# Altium PCB CRD25DA12N-FMC V1.1 (07-2023).PcbDoc (part 3 of 7)
Units mil, origin at the board's own origin, x right, y up, seen from the top; angles counter-clockwise.
Board outline 8000 x 8000 mil, 6 copper layers (Top Layer, Layer 2, Layer 3, Layer 4, Layer 5, Bottom Layer), stack 91 mil thick; 542 components, 315 nets, 1585 pads, 558 vias.
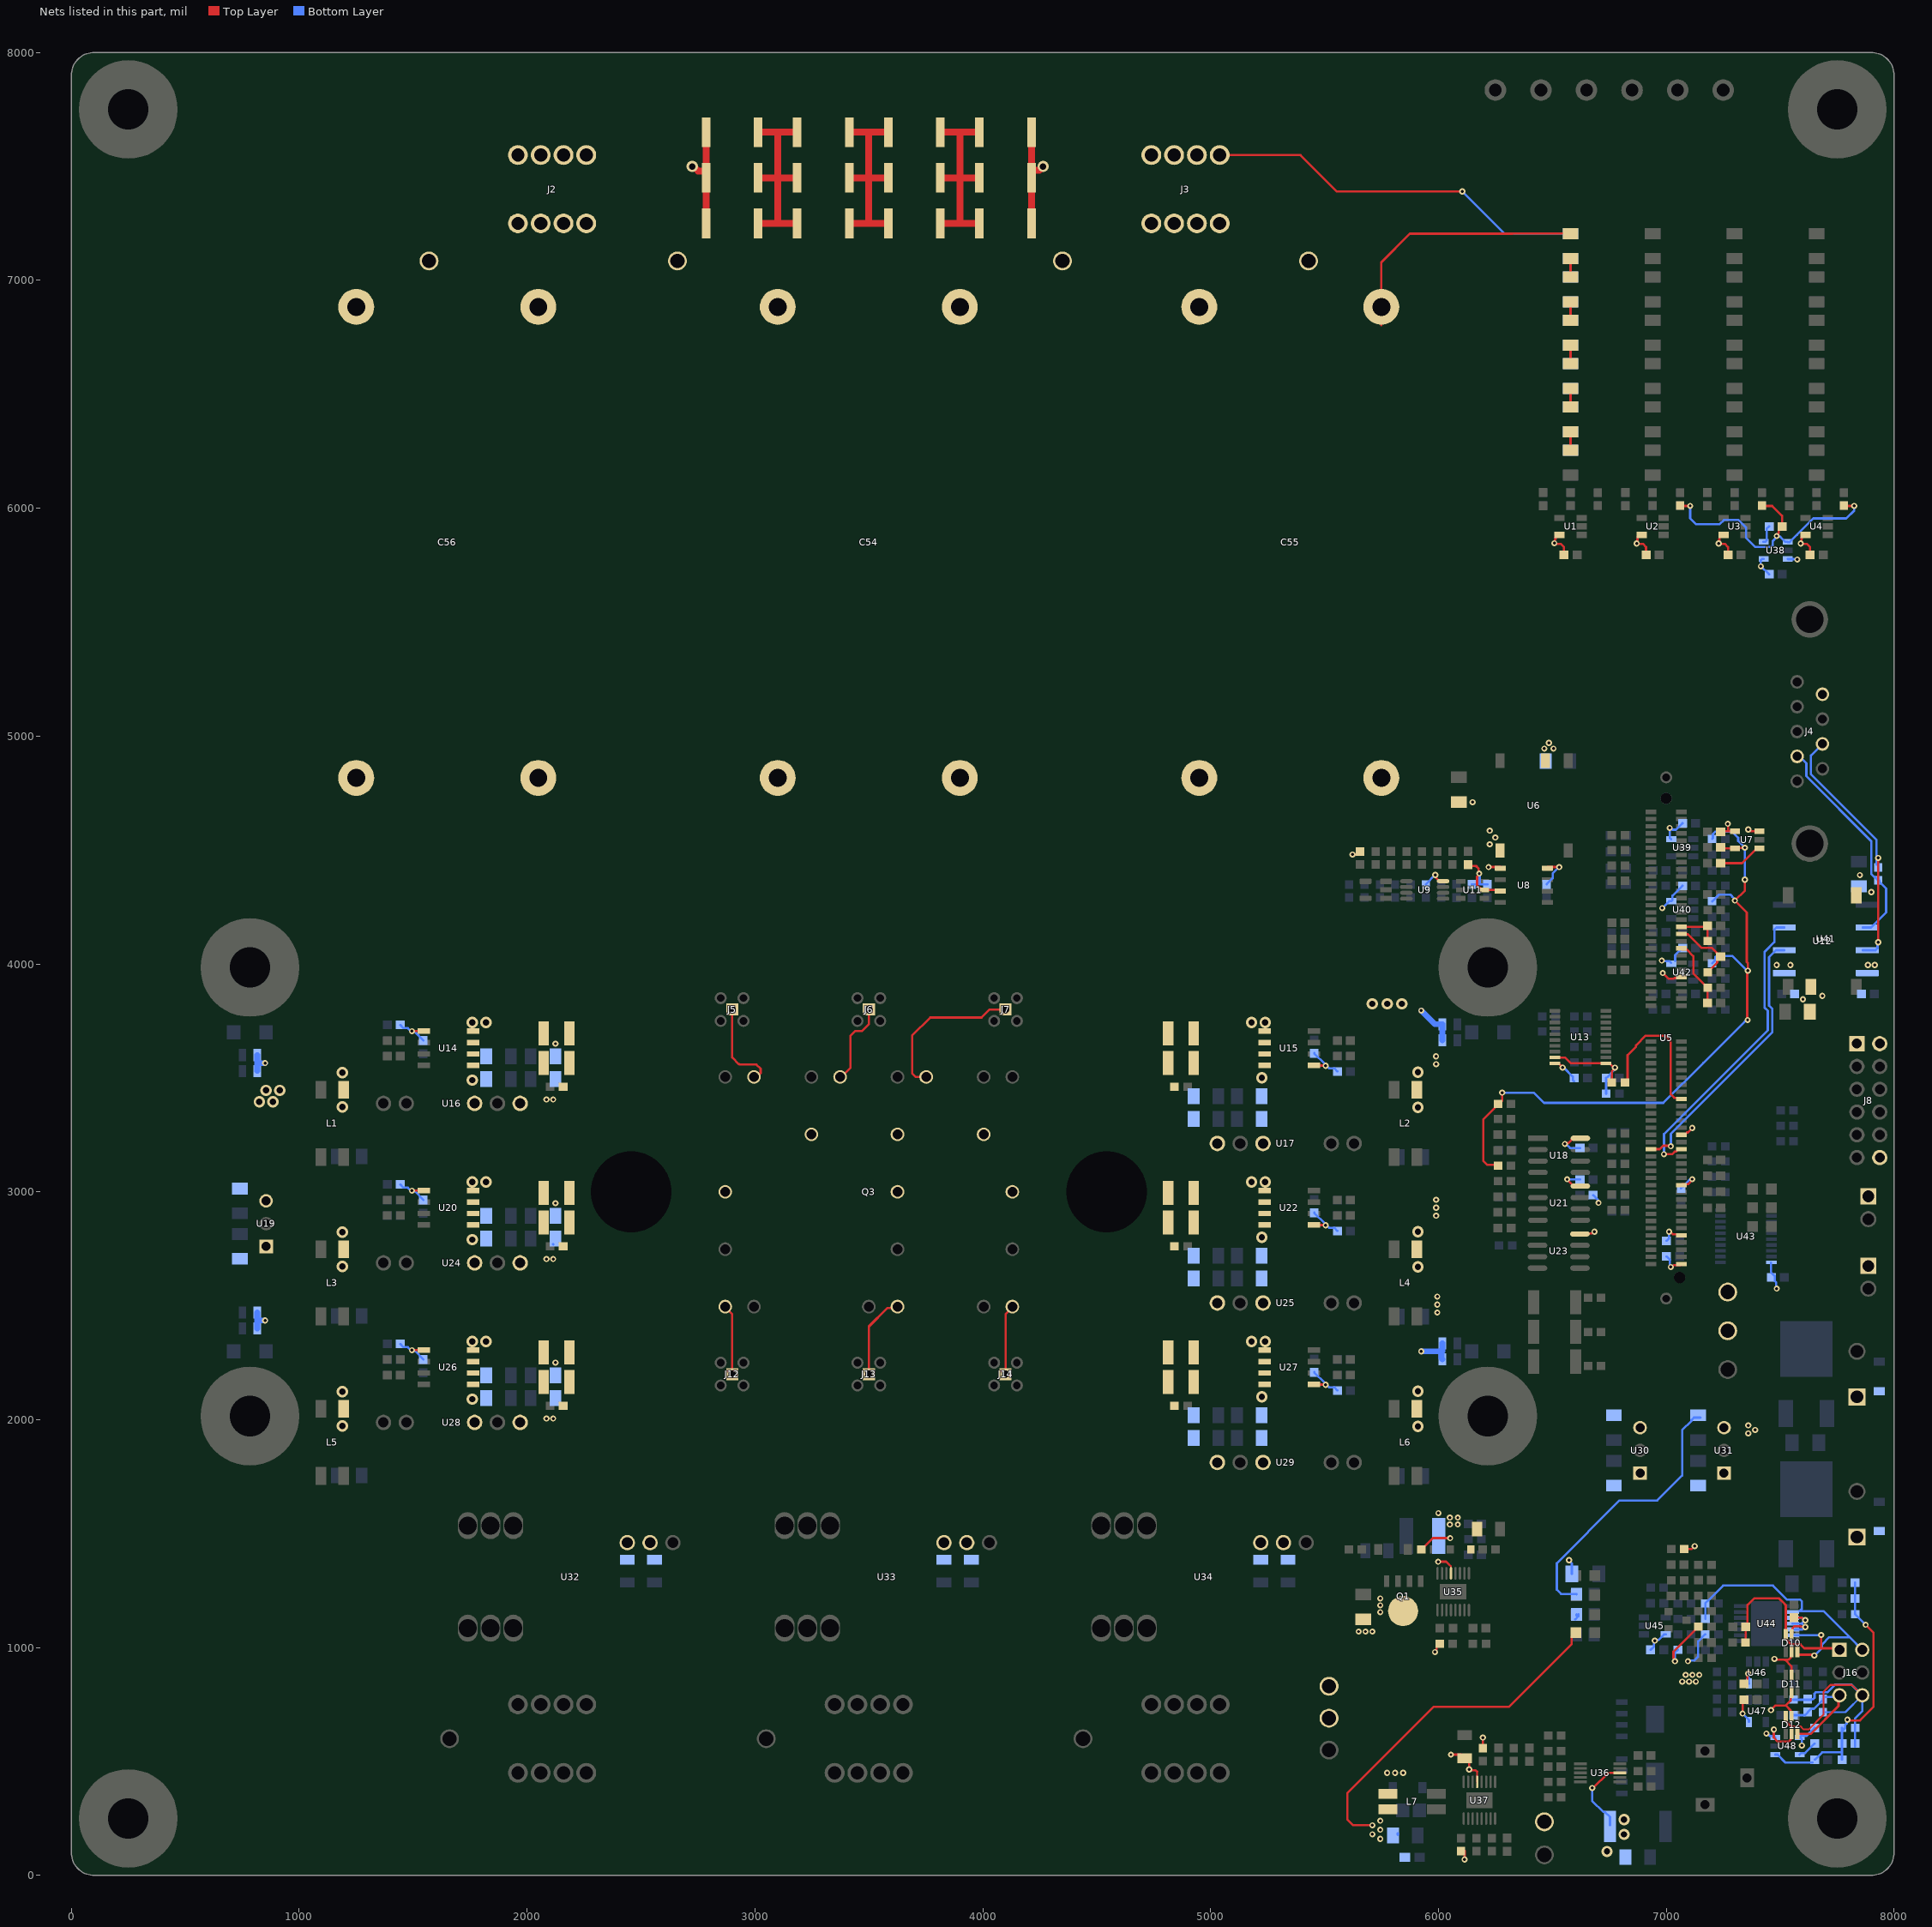
[diagram p7: the nets of this part, all layers, seen from the top]

## Part data (continued)
R212 R217: "RES SMD 15K OHM 0.5% 1/10W 0603", Case Code (Imperial)=0603, Case Code (Metric)=1608, Manufacturer=PANASONIC, Max Operating Temperature=155°C, Max Power Dissipation=100mW, Min Operating Temperature=-55°C, Package Quantity=5000, Power Rating=0.1W, Ratings=AEC-Q200, Resistance=15kΩ, Resistance Tolerance=0.5%, Resistor Type="Thin Film", Supplier Part Number 1=P15KBLCT-ND, Temperature Coefficient=25ppm/°C, Voltage Rating=75V, Category="Chip SMD Resistors", ComponentLink1Description=https://datasheet.ciiva.com/6138/1776116-6138543.pdf?src-supplier=Farnell, ComponentLink1URL=https://datasheet.ciiva.com/6138/1776116-6138543.pdf?src-supplier=Farnell, ComponentLink2Description=https://datasheet.ciiva.com/7830/1776116-7830921.pdf?src-supplier=Element14, ComponentLink2URL=https://datasheet.ciiva.com/7830/1776116-7830921.pdf?src-supplier=Element14, ComponentLink3Description=https://datasheet.ciiva.com/9117/aoa0000ce26-9117541.pdf?src-supplier=Avnet, ComponentLink3URL=https://datasheet.ciiva.com/9117/aoa0000ce26-9117541.pdf?src-supplier=Avnet, ComponentLink4Description=https://datasheet.ciiva.com/9117/aoa0000ce26-9117535.pdf?src-supplier=Avnet, ComponentLink4URL=https://datasheet.ciiva.com/9117/aoa0000ce26-9117535.pdf?src-supplier=Avnet, ComponentLink5Description=https://datasheet.ciiva.com/30207/54aoa0000ce26-30207227.pdf?src-supplier=Onlinecomponents.com, ComponentLink5URL=https://datasheet.ciiva.com/30207/54aoa0000ce26-30207227.pdf?src-supplier=Onlinecomponents.com, Construction=Rectangular, Contact Plating=Tin, Depth=0.8mm, Features="Automotive AEC-Q200", Height=0.45mm, Lead Free="Lead Free", Length=1.6mm, Manufacturer Part Number=ERA-3AED153V, Military Standard=Not, Mount="Surface Mount", Number of Terminations=2, Package=0603, Packaging="Tape and Reel", Pricing 1="1=0.31000, 10=0.26200, 100=0.10240, 500=0.06190, 1000=0.04285, 2500=0.03928 (USD)", Radiation Hardening=No, Reach SVHC Compliant=Yes, RoHS=Yes, RoHS Compliant=Yes, Series=ERA-3A, Stock 1=5000, Supplier 1=Digi-Key, TOLERANCE=0.5%, Voltage Rating (DC)=75V, Width=0.8mm
R213 R216: "RES SMD 2.43K OHM 1% 1/8W 0805", Case Code (Imperial)=0805, Case Code (Metric)=2012, Manufacturer=PANASONIC, Max Operating Temperature=155°C, Max Power Dissipation=125mW, Min Operating Temperature=-55°C, Package Quantity=1, Power Rating=0.13W, Resistance=2.43kΩ, Resistance Tolerance=1%, Resistor Type="Thick Film", Supplier Part Number 1=73AC7648, Temperature Coefficient=100ppm/°C, Voltage Rating=150V, Category="Chip SMD Resistors", ComponentLink1Description=https://datasheet.ciiva.com/7763/1678782-7763735.pdf?src-supplier=Element14, ComponentLink1URL=https://datasheet.ciiva.com/7763/1678782-7763735.pdf?src-supplier=Element14, ComponentLink2Description=https://datasheet.ciiva.com/22681/1678782-22681333.pdf?src-supplier=Element14, ComponentLink2URL=https://datasheet.ciiva.com/22681/1678782-22681333.pdf?src-supplier=Element14, ComponentLink3Description=https://datasheet.ciiva.com/28594/1694929-28594725.pdf?src-supplier=Element14, ComponentLink3URL=https://datasheet.ciiva.com/28594/1694929-28594725.pdf?src-supplier=Element14, ComponentLink4Description=https://datasheet.ciiva.com/46441/1678782-46441274.pdf?src-supplier=Element14, ComponentLink4URL=https://datasheet.ciiva.com/46441/1678782-46441274.pdf?src-supplier=Element14, ComponentLink5Description=https://datasheet.ciiva.com/16773/70260748-16773928.pdf?src-supplier=Allied+Electronics, ComponentLink5URL=https://datasheet.ciiva.com/16773/70260748-16773928.pdf?src-supplier=Allied+Electronics, ComponentLink6Description=https://datasheet.ciiva.com/16783/70260748-16783546.pdf?src-supplier=Allied+Electronics, ComponentLink6URL=https://datasheet.ciiva.com/16783/70260748-16783546.pdf?src-supplier=Allied+Electronics, ComponentLink7Description=https://datasheet.ciiva.com/30086/aoa0000ce2-30086726.pdf?src-supplier=Onlinecomponents.com, ComponentLink7URL=https://datasheet.ciiva.com/30086/aoa0000ce2-30086726.pdf?src-supplier=Onlinecomponents.com, Construction=Rectangular, Contact Plating=Tin, Depth=1.25mm, Features="Automotive AEC-Q200", Height=0.6mm, Lead Free="Lead Free", Length=2mm, Manufacturer Part Number=ERJ-6ENF2431V, Military Standard=Not, Mount="Surface Mount", Number of Terminations=2, Package=0805, Packaging="Tape and Reel", Pricing 1="1=0.02500, 5000=0.02200, 10000=0.01700, 20000=0.01300 (USD)", Radiation Hardening=No, Reach SVHC Compliant=Yes, RoHS=Yes, RoHS Compliant=Yes, Series=ERJ, Stock 1=30000, Supplier 1=Newark, Technology="THICK FILM", Termination=SMD/SMT, TOLERANCE=1%, Voltage Rating (DC)=150V, Width=0.049inch
R220 R223 R224 R227: "RES SMD 12.1K OHM 0.1% 1/5W 0603", Case Code (Imperial)=0603, Case Code (Metric)=1608, Manufacturer=PANASONIC, Max Operating Temperature=155°C, Max Power Dissipation=0.2W, Min Operating Temperature=-55°C, Resistance=12.1kΩ, Resistor Type="Thick Film", Supplier Part Number 1=68AC5970, Temperature Coefficient=50ppm/°C, TOLERANCE=0.1%, Category="Chip SMD Resistors", ComponentLink1Description=https://industrial.panasonic.com/sa/system/files/data/download/catalog/id_fixed-resistors_e_2.pdf?src-supplier=Digi-Key, ComponentLink1URL=https://industrial.panasonic.com/sa/system/files/data/download/catalog/id_fixed-resistors_e_2.pdf?src-supplier=Digi-Key, Features="Automotive AEC-Q200", Height - Seated (Max)=0.022inch, Length=0.063inch, Manufacturer Part Number=ERJ-PB3B1212V, Number of Terminations=2, Package=0603, Packaging="Tape and Reel", Pricing 1="1=0.02300, 25=0.02300, 50=0.02300, 100=0.02300, 250=0.02300, 500=0.02300, 1000=0.02300 (USD)", RoHS=Yes, Stock 1=2027, Supplier 1=Newark, Width=0.032inch
R221 R225: "RES 47K OHM 1% 1/10W 0603", Case Code (Imperial)=0603, Case Code (Metric)=1608, Manufacturer=YAGEO, Max Operating Temperature=155°C, Max Power Dissipation=100mW, Min Operating Temperature=-55°C, Package Quantity=1, Power Rating=0.1W, Resistance=47kΩ, Resistance Tolerance=1%, Resistor Type="Thick Film", Supplier Part Number 1=6616189, Temperature Coefficient=100ppm/°C, Voltage Rating=50V, Category="Chip SMD Resistors", ComponentLink1Description=https://datasheet.ciiva.com/11808/0900766b80f96399-11808118.pdf?src-supplier=Rs, ComponentLink1URL=https://datasheet.ciiva.com/11808/0900766b80f96399-11808118.pdf?src-supplier=Rs, ComponentLink2Description=https://datasheet.ciiva.com/2453/pyu-r-int-thick-7-2453932.pdf?src-supplier=Digi-Key, ComponentLink2URL=https://datasheet.ciiva.com/2453/pyu-r-int-thick-7-2453932.pdf?src-supplier=Digi-Key, ComponentLink3Description=https://datasheet.ciiva.com/2453/pyu-r-int-thick-7-2453933.pdf?src-supplier=Digi-Key, ComponentLink3URL=https://datasheet.ciiva.com/2453/pyu-r-int-thick-7-2453933.pdf?src-supplier=Digi-Key, ComponentLink4Description=https://datasheet.ciiva.com/2453/pyu-r-int-thick-7-2453931.pdf?src-supplier=Digi-Key, ComponentLink4URL=https://datasheet.ciiva.com/2453/pyu-r-int-thick-7-2453931.pdf?src-supplier=Digi-Key, ComponentLink5Description=https://datasheet.ciiva.com/7746/443971-7746362.pdf?src-supplier=Element14, ComponentLink5URL=https://datasheet.ciiva.com/7746/443971-7746362.pdf?src-supplier=Element14, ComponentLink6Description=https://datasheet.ciiva.com/7746/443971-7746361.pdf?src-supplier=Element14, ComponentLink6URL=https://datasheet.ciiva.com/7746/443971-7746361.pdf?src-supplier=Element14, Construction=Rectangular, Depth=0.8mm, Features="Moisture Resistant", Height=0.022inch, Lead Free="Lead Free", Length=0.063inch, Manufacturer Part Number=RC0603FR-0747KL, Military Standard=Not, Number of Pins=2, Number of Terminations=2, Package=0603, Packaging="Tape and Reel", Pricing 1="5000=0.00150, 50000=0.00140, 200000=0.00140, 625000=0.00130, 2000000=0.00120 (USD)", RoHS=Yes, RoHS Compliant=Yes, Series=RC, Size Code=0603, Stock 1=21495000, Supplier 1="Future Electronics", Technology="THICK FILM", Termination=SMD/SMT, TOLERANCE=1%, Voltage Rating (DC)=50V, Width=0.031inch
R229: "RES 0.01 OHM 1% 2W 2512", Case Code (Imperial)=2512, Case Code (Metric)=6432, Manufacturer=YAGEO, Max Operating Temperature=170°C, Max Power Dissipation=2W, Min Operating Temperature=-55°C, Resistance=10mΩ, Resistor Type="Metal Film", Supplier Part Number 1=1995902P, Temperature Coefficient=50ppm/°C, TOLERANCE=1%, Category="Chip SMD Resistors", ComponentLink1Description=http://www.mouser.com/ds/2/447/PYu-PE_521_RoHS_L_1-536447.pdf?src-supplier=Mouser, ComponentLink1URL=http://www.mouser.com/ds/2/447/PYu-PE_521_RoHS_L_1-536447.pdf?src-supplier=Mouser, ComponentLink2Description=http://www.yageo.com/NewPortal/yageodocoutput?fileName=/pdf/R-Chip/PYu-PE_521_RoHS_L_5.pdf&src-supplier=Digi-Key, ComponentLink2URL=http://www.yageo.com/NewPortal/yageodocoutput?fileName=/pdf/R-Chip/PYu-PE_521_RoHS_L_5.pdf&src-supplier=Digi-Key, Features="Moisture Resistant,Automotive AEC-Q200", Height=0.03inch, Lead Free="Lead Free", Length=0.248inch, Manufacturer Part Number=PE2512FKE7W0R01L, Number of Terminations=2, Package=2512, Packaging="Tape and Reel", RoHS=Yes, Stock 1=2110, Supplier 1=Rs, Width=0.122inch
R230: "RES 180K OHM 1% 1/10W 0603", Case Code (Imperial)=0603, Case Code (Metric)=1608, Manufacturer=TE, Max Operating Temperature=155°C, Max Power Dissipation=0.1W, Min Operating Temperature=-55°C, Resistance=180kΩ, Resistor Type="Thick Film", Supplier Part Number 1=73AC9068, Temperature Coefficient=100ppm/°C, TOLERANCE=1%, Category="Chip SMD Resistors", ComponentLink1Description=https://4donline.ihs.com/images/VipMasterIC/IC/TYEL/TYEL-S-A0004929575/TYEL-S-A0004929575-1.pdf?hkey=52A5661711E402568146F3353EA87419&src-supplier=Element14, ComponentLink1URL=https://4donline.ihs.com/images/VipMasterIC/IC/TYEL/TYEL-S-A0004929575/TYEL-S-A0004929575-1.pdf?hkey=52A5661711E402568146F3353EA87419&src-supplier=Element14, ComponentLink2Description=https://4donline.ihs.com/images/VipMasterIC/IC/TYEL/TYEL-S-A0004929575/TYEL-S-A0004929575-1.pdf?hkey=52A5661711E402568146F3353EA87419&src-supplier=Newark, ComponentLink2URL=https://4donline.ihs.com/images/VipMasterIC/IC/TYEL/TYEL-S-A0004929575/TYEL-S-A0004929575-1.pdf?hkey=52A5661711E402568146F3353EA87419&src-supplier=Newark, ComponentLink3Description=https://www.te.com/commerce/DocumentDelivery/DDEController?Action=srchrtrv&DocNm=1773204-3&DocType=DS&DocLang=English&src-supplier=Digi-Key, ComponentLink3URL=https://www.te.com/commerce/DocumentDelivery/DDEController?Action=srchrtrv&DocNm=1773204-3&DocType=DS&DocLang=English&src-supplier=Digi-Key, ComponentLink4Description=https://www.te.com/commerce/DocumentDelivery/DDEController?Action=srchrtrv&amp;DocNm=1773204-3&amp;DocType=DS&amp;DocLang=English&src-supplier=Digi-Key, ComponentLink4URL=https://www.te.com/commerce/DocumentDelivery/DDEController?Action=srchrtrv&amp;DocNm=1773204-3&amp;DocType=DS&amp;DocLang=English&src-supplier=Digi-Key, ComponentLink5Description=https://4donline.ihs.com/images/VipMasterIC/IC/TYEL/TYEL-S-A0004929575/TYEL-S-A0004929575-1.pdf?hkey=52A5661711E402568146F3353EA87419&src-supplier=Farnell, ComponentLink5URL=https://4donline.ihs.com/images/VipMasterIC/IC/TYEL/TYEL-S-A0004929575/TYEL-S-A0004929575-1.pdf?hkey=52A5661711E402568146F3353EA87419&src-supplier=Farnell, Features="Moisture Resistant,Automotive AEC-Q200", Manufacturer Part Number=CRGCQ0603F180K, Number of Terminations=2, Package=0603, Packaging="Cut Tape", Pricing 1="1=0.00100, 25=0.00100, 100=0.00100, 250=0.00100, 500=0.00100, 1000=0.00100 (USD)", RoHS=Yes, RoHS Compliant=Yes, Stock 1=4310, Supplier 1=Newark
TP1 TP2 TP5 TP6 TP8 TP9 TP14: library part CMP-1672-00002-4, "PC TEST POINT MULTIPURPOSE RED", Colour=Red, Manufacturer=KEYSTONE, Package=N/A, Package Quantity=100, ComponentLink1Description="Manufacturer URL", ComponentLink1URL=http://www.keyelco.com/, ComponentLink2Description=Datasheet, ComponentLink2URL=http://www.keyelco.com/product-pdf.cfm?p=1319, Contact Material=Bronze, Contact Plating=Silver, DatasheetVersion="Rev. F, 12/2013", Height="8.12 mm", Manufacturer Part Number=5010, Mount="Through Hole", Mounting Technology="Through Hole", PackageDescription="1-Pin Through Hole Device, Dia 3.17 mm", PackageReference=5010, Packaging=Bulk, Pins=1, REACH SVHC="No SVHC", RoHSCompliant=true
TP3 TP4 TP7 TP13 TP15: library part CMP-1672-00003-4, "PC TEST POINT MULTIPURPOSE BLACK", Colour=Black, Manufacturer=KEYSTONE, Package=N/A, Package Quantity=100, ComponentLink1Description="Manufacturer URL", ComponentLink1URL=http://www.keyelco.com/, ComponentLink2Description=Datasheet, ComponentLink2URL=http://www.keyelco.com/product-pdf.cfm?p=1320, Contact Material=Bronze, Contact Plating=Silver, DatasheetVersion="Rev. F, 12/2013", Height="8.12 mm", Manufacturer Part Number=5011, Mount="Through Hole", Mounting Technology="Through Hole", PackageDescription="1-Pin Through Hole Device, Dia 3.17 mm", PackageReference=5011, Packaging=Bulk, Pins=1, REACH SVHC="No SVHC", RoHSCompliant=true
TP10 TP11 TP12: library part CMP-1672-00004-4, "PC TEST POINT MULTIPURPOSE WHITE", Colour=White, Manufacturer=KEYSTONE, Package=N/A, Package Quantity=100, ComponentLink1Description="Manufacturer URL", ComponentLink1URL=http://www.keyelco.com/, ComponentLink2Description=Datasheet, ComponentLink2URL=http://www.keyelco.com/product-pdf.cfm?p=1321, Contact Material=Bronze, Contact Plating=Silver, DatasheetVersion="Rev. F, 12/2013", Height="8.12 mm", Length="11.3 mm", Manufacturer Part Number=5012, Mount="Through Hole", Mounting Technology="Through Hole", PackageDescription="1-Pin Through Hole Device, Dia 3.17 mm", PackageReference=5012, Packaging=Bulk, Pins=1, REACH SVHC="No SVHC", RoHSCompliant=true
U1 U2 U3 U4 U39 U40 U42 U45 U46 U47: library part CMP-0384-02059-2, "IC OPAMP GP 1 CIRCUIT TSOT23-5", Amplifiers Per Package=1, Generic Part Number=AD8615, Input Bias Current=200fA, Input Offset Voltage=80uV, Manufacturer="ANALOG DEVICES", Package=TSOT-23-5, Code_JEDEC=MO-193-AB, ComponentLink1Description="Manufacturer URL", ComponentLink1URL=http://www.analog.com/en/index.html, ComponentLink2Description=Datasheet, ComponentLink2URL=http://www.analog.com/static/imported-files/data_sheets/AD8615_8616_8618.pdf, ComponentLink3Description="Package Specification", ComponentLink3URL=http:/www.analog.com/static/imported-files/packages/PKG_PDF/TSOT(UJ)/UJ_5.pdf, ComponentLink4Description="Reference Circuit", ComponentLink4URL=http://www.analog.com/en/all-operational-amplifiers-op-amps/operational-amplifiers-op-amps/ad8615/products/product.html#product-recommendations, DatasheetVersion="Rev. E", Iq/Amp=1.7mA, Manufacturer Part Number=AD8615AUJZ-REEL7, Mounting Technology="Surface Mount", PackageDescription="5-Pin Thin Small Outline Transistor Package, Body 2.9 x 1.6 mm, Pitch 0.95 mm", PackageReference=UJ-5, PackageVersion=100708-A, PartNumber=AD8615AUJZ-REEL7, RevisionNote="Reference Circuit URL fixed", Slew Rate=12V/us, Small Signal Bandwidth=23MHz, V Span Max=6V, V Span Min=2.7V
U5: "EVAL BOARD FOR TMS320F280039C", Manufacturer="TEXAS INSTRUMENTS", Package=N/A, Supplier Part Number 1=595-TMDSCNCD280039C, Category="Embedded Processors and Controllers", Manufacturer Part Number=TMDSCNCD280039C, Pricing 1="1=99.75000, 10=99.75000, 50=99.75000, 100=99.75000, 1000=99.75000, 10000=99.75000 (USD)", RoHS=No, Stock 1=11, Supplier 1=Mouser
U6: library part CMP-2000-07241-1, "DC DC CONVERTER 5V 1W", Input Voltage DC Max=5.5V, Input Voltage DC Min=4.5V, Manufacturer=TRACOPOWER, Output Current Max=200mA, Output Power Max=1W, Output Voltage Nom.=5V, Package=8-SMD, Package Description="5-Pin Surface Mount Device, Body 13.7 x 8.0 mm", Datasheet URL=http://assets.tracopower.com/20160525150431/TES1/documents/tes1-datasheet.pdf, Datasheet Version=05/2016, DC / DC Converter Mounting=SMD, DC / DC Converter Output Type=Fixed, DC / DC Converter Type=IsolatedPOL, Depth=16.3mm, Height=7mm, Manufacturer Part Number="TES 1-0511", Manufacturer URL=http://www.tracopower.com/home, Mounting Technology=SurfaceMount, Package Reference="TES 1-0511", SVHC=NoSVHC(16-Jun-2014), Width=8mm
U7 U38 U48: "AUTOMOTIVE LOW-DRIFT, LOW-POWER,", Manufacturer="TEXAS INSTRUMENTS", Supplier Part Number 1=595-REF2033QDDCRQ1, Category="Voltage References", Manufacturer Part Number=REF2033QDDCRQ1, Pricing 1="1=3.59, 10=3.23, 50=3.23, 100=2.65, 1000=2.02, 10000=1.7 (USD)", RoHS=No, Stock 1=7420, Supplier 1=Mouser
U8: library part CMP-0328-00055-4, "DGTL ISO 2500VRMS 1CH GP 8SOIC", Insulation Rating(VRMS)=2500, Manufacturer="TEXAS INSTRUMENTS", Package=8-SOIC, Rating=Catalog, Supply Voltage(s)(V)="3.3, 5", Channel Configuration=1/01/2000, ComponentLink1Description="Manufacturer URL", ComponentLink1URL=http://www.ti.com/, ComponentLink2Description=Datasheet, ComponentLink2URL=http://www.ti.com/general/docs/lit/getliterature.tsp?genericPartNumber=ISO722M&fileType=pdf, ComponentLink3Description="URL Link1", ComponentLink3URL=SamplesURL:http://www.ti.com/product/iso722m#samples, Datarate(Mbps)=150, DatasheetVersion=SLLS629J, Eco-Plan="Green (RoHS & no Sb/Br)", Input Noise Filter=None, Manufacturer Part Number=ISO722MDR, Mounting Technology="Surface Mount", PackageDescription="8-Pin Plastic Small Outline Integrated Circuit, 4.9 x 3.9 mm, Pitch 1.27 mm Pitch", PackageReference=D0008B, PackageVersion="revM, Jun-2011", Prop Delay(Max)(ns)=16, SubFamily=Isolator, Thermal Shutdown=No, TTL/CMOS Input Threshold=CMOS
U9: "IC OPAMP GP 2 CIRCUIT 8MSOP", Case/Package=MSOP, Input Bias Current=1pA, Input Offset Voltage (Vos)=3mV, Input Offset Voltage-Max=5mV, Manufacturer=MICROCHIP, Max Operating Temperature=125°C, Max Supply Voltage=5.5V, Min Operating Temperature=-40°C, Min Supply Voltage=2.4V, Nominal Supply Current=1mA, Output Current=25mA, Package=8-MSOP, Package Quantity=100, Power Supply Rejection Ratio (PSRR)=70dB, Supplier Part Number 1=20T6022, Voltage Gain=110dB, Amplifier Type="GENERAL PURPOSE", Bandwidth=10MHz, Category="Amplifiers - Op Amps, Buffer, Instrumentation", Common Mode Rejection Ratio=70dB, ComponentLink1Description=https://datasheet.ciiva.com/8078/809135-8078950.pdf?src-supplier=Element14, ComponentLink1URL=https://datasheet.ciiva.com/8078/809135-8078950.pdf?src-supplier=Element14, ComponentLink2Description=https://datasheet.ciiva.com/11710/21812e-11710232.pdf?src-supplier=Avnet, ComponentLink2URL=https://datasheet.ciiva.com/11710/21812e-11710232.pdf?src-supplier=Avnet, ComponentLink3Description=https://datasheet.ciiva.com/26947/getdatasheetpartid-442666-26947846.pdf?src-supplier=Verical, ComponentLink3URL=https://datasheet.ciiva.com/26947/getdatasheetpartid-442666-26947846.pdf?src-supplier=Verical, ComponentLink4Description=https://datasheet.ciiva.com/1793/21812e-1793844.pdf?src-supplier=Digi-Key, ComponentLink4URL=https://datasheet.ciiva.com/1793/21812e-1793844.pdf?src-supplier=Digi-Key, Gain Bandwidth Product=10MHz, Height=0.85mm, Lead Free="Lead Free", Length=3mm, Manufacturer Part Number=MCP6292-E/MS, Manufacturer Print=MICROCHIP, Mount="Surface Mount", Number of Amplifiers=2, Number Of Channels=2, Number of Circuits=2, Number of Elements=2, Number of Pins=8, Operating Supply Current=1mA, Output Current per Channel=25mA, Packaging=Rail/Tube, Pricing 1="1=1.08000, 10=0.99600, 25=0.91100, 50=0.86900, 100=0.82600 (USD)", Radiation Hardening=No, Reach SVHC Compliant=Yes, RoHS=Yes, RoHS Compliant=Yes, Slew Rate=7V/µs, Slew Rate-Nom=7V/µs, Stock 1=1446, Supplier 1=Newark, Supply Current=1mA, Technology=CMOS, Unity Gain Bandwidth Product=10MHz, Width=3mm
U10: "IC VREF SHUNT ADJ 2% SOT23-5", Case/Package=SOT-23-5, Cathode Current=60uA, Manufacturer=STMICROELECTRONICS, Manufacturer Print=ST, Max Input Voltage=10V, Max Operating Temperature=125°C, Max Output Current=30mA, Max Output Voltage=6V, Min Operating Temperature=-40°C, Min Output Voltage=1.24V, Package Quantity=1, Temperature Coefficient=100ppm/°C, TOLERANCE=2%, Category="Voltage References", ComponentLink1Description=https://datasheet.ciiva.com/2006/cd00001336-2006390.pdf?src-supplier=Digi-Key, ComponentLink1URL=https://datasheet.ciiva.com/2006/cd00001336-2006390.pdf?src-supplier=Digi-Key, ComponentLink2Description=https://datasheet.ciiva.com/2006/cd00001336-2006391.pdf?src-supplier=Digi-Key, ComponentLink2URL=https://datasheet.ciiva.com/2006/cd00001336-2006391.pdf?src-supplier=Digi-Key, ComponentLink3Description=https://datasheet.ciiva.com/2006/cd00001336-2006392.pdf?src-supplier=Digi-Key, ComponentLink3URL=https://datasheet.ciiva.com/2006/cd00001336-2006392.pdf?src-supplier=Digi-Key, Manufacturer Part Number=TS431IYLT, Mount="Surface Mount", Number Of Channels=1, Number of Pins=5, Output Current=30mA, Output Type=Adjustable, Output Voltage=6V, Package=SOT-23-5, Packaging="Tape and Reel", Pricing 1="3000=0.25181, 6000=0.24861, 12000=0.24434, 18000=0.23794, 24000=0.23581 (USD)", Radiation Hardening=No, Reference Type=Shunt,Adjustable, RoHS=Yes, RoHS Compliant=Yes, Series="Automotive, AEC-Q100", Stock 1=15000, Supplier 1=Avnet, Supplier Part Number 1=TS431IYLT
U11: "IC OSC SILICON PROG TSOT23-6", Frequency=3.81Hz, Manufacturer="ANALOG DEVICES", Max Operating Temperature=70°C, Max Supply Voltage=5.5V, Min Operating Temperature=0°C, Min Supply Voltage=2.25V, Operating Supply Current=365uA, Package=TSOT-23-6, Package Quantity=1, Supplier Part Number 1=505-LTC6992CS6-2#TRMPBFDKR-ND, Category="Clock and Timing", ComponentLink1Description=https://datasheet.ciiva.com/1233/29337-1233009.pdf?src-supplier=Digi-Key, ComponentLink1URL=https://datasheet.ciiva.com/1233/29337-1233009.pdf?src-supplier=Digi-Key, ComponentLink2Description=https://datasheet.ciiva.com/1233/29337-1233010.pdf?src-supplier=Digi-Key, ComponentLink2URL=https://datasheet.ciiva.com/1233/29337-1233010.pdf?src-supplier=Digi-Key, ComponentLink3Description=https://datasheet.ciiva.com/1233/29337-1233011.pdf?src-supplier=Digi-Key, ComponentLink3URL=https://datasheet.ciiva.com/1233/29337-1233011.pdf?src-supplier=Digi-Key, ComponentLink4Description=https://datasheet.ciiva.com/1142/1441932-1142139.pdf?src-supplier=Farnell, ComponentLink4URL=https://datasheet.ciiva.com/1142/1441932-1142139.pdf?src-supplier=Farnell, ComponentLink5Description=https://datasheet.ciiva.com/1142/1441932-1142140.pdf?src-supplier=Farnell, ComponentLink5URL=https://datasheet.ciiva.com/1142/1441932-1142140.pdf?src-supplier=Farnell, ComponentLink6Description=https://datasheet.ciiva.com/1139/1642034-1139621.pdf?src-supplier=Element14, ComponentLink6URL=https://datasheet.ciiva.com/1139/1642034-1139621.pdf?src-supplier=Element14, ComponentLink7Description=https://datasheet.ciiva.com/48709/001253668-da-01-en-ic-osc-ltc6992cs6-2-trmpbf-tsot-23-6-ltc-48709100.pdf?src-supplier=Conrad, ComponentLink7URL=https://datasheet.ciiva.com/48709/001253668-da-01-en-ic-osc-ltc6992cs6-2-trmpbf-tsot-23-6-ltc-48709100.pdf?src-supplier=Conrad, Depth=1.75mm, Length=2.9mm, Manufacturer Part Number=LTC6992CS6-2#TRMPBF, Manufacturer Print="ANALOG DEVICES", Mount="Surface Mount", Number of Pins=6, Number of Timers/Counters=1, Packaging="Cut Tape", Pricing 1="1=5.53000, 10=4.97000, 25=4.69840, 100=4.07200, 250=3.86316 (USD)", Reach SVHC Compliant=Yes, RoHS=Yes, RoHS Compliant=Yes, Series=TimerBlox®, Supplier 1=Digi-Key
U12: "DC DC CONVERTER 5V 1W", Case/Package=SMD/SMT, Current - Output 1=200mA, Isolation Voltage=2kV, Manufacturer=RECOM, Max Input Voltage=3.63V, Max Operating Temperature=100°C, Max Output Power=1W, Max Output Voltage=5V, Min Input Voltage=2.97V, Min Operating Temperature=-40°C, Package=8-SMD, Supplier Part Number 1=945-R1SE-3.305/H2-RCT-ND, Category="Board Mount Modules", ComponentLink1Description=http://www.farnell.com/datasheets/1905443.pdf?src-supplier=Farnell, ComponentLink1URL=http://www.farnell.com/datasheets/1905443.pdf?src-supplier=Farnell, ComponentLink2Description=http://www.alliedelec.com/images/products/datasheets/bm/1_Datasheets/70595177.pdf?src-supplier=Allied+Electronics, ComponentLink2URL=http://www.alliedelec.com/images/products/datasheets/bm/1_Datasheets/70595177.pdf?src-supplier=Allied+Electronics, ComponentLink3Description=https://www.recom-power.com/pdf/Econoline/R1SE_H2.pdf?src-supplier=Digi-Key, ComponentLink3URL=https://www.recom-power.com/pdf/Econoline/R1SE_H2.pdf?src-supplier=Digi-Key, ComponentLink4Description=http://www.farnell.com/datasheets/1905443.pdf?src-supplier=Element14, ComponentLink4URL=http://www.farnell.com/datasheets/1905443.pdf?src-supplier=Element14, Depth=12.75mm, Efficiency=75%, Height=6.7mm, Lead Free="Lead Free", Length=12.75mm, Manufacturer Part Number=R1SE-3.305/H2-R, Max Input Voltage (DC)=3.63V, Max Output Current=200mA, Max Power Dissipation=1W, Min Input Voltage (DC)=2.97V, Mount="Surface Mount", Number Of Outputs=1, Packaging="Cut Tape", Pricing 1="1=4.51000, 5=4.44600, 10=4.38300, 25=4.25800, 50=4.00760, 100=3.88240, 250=3.75720 (USD)", Reach SVHC Compliant=Yes, RoHS=Yes, RoHS Compliant=Yes, Series="ECONOLINE R1SE-H2 (1W)", Stock 1=563, Supplier 1=Digi-Key, Voltage - Output 1=5V, Weight=1g, Width=10.7mm
U13 U43: library part CMP-0440-01163-3, "IC BUF NON-INVERT 5.5V 20TSSOP", F @ Nom Voltage(Max)(Mhz)=110, Generic Part Number=SN74LV541AT, ICC @ Nom Voltage(Max)(mA)=0.02, Manufacturer="TEXAS INSTRUMENTS", Operating Temperature Range(C)="-40 to 125", Package=20-TSSOP, Rating=Catalog, tpd @ Nom Voltage(Max)(ns)=7.9, Voltage(Nom)(V)=5, Bits(#)=8, Code_JEDEC=MO-153, DatasheetVersion=SCES573B, Input Type=TTL, Manufacturer Part Number=SN74LV541ATPWR, Output Type=CMOS, PackageReference=PW0020A, PackageVersion=http://www.ti.com/lit/ml/mpds362/mpds362.pdf, VCC(Max)(V)=5.5, VCC(Min)(V)=4.5